# KiCad board uart-breakout.kicad_pcb (continued)
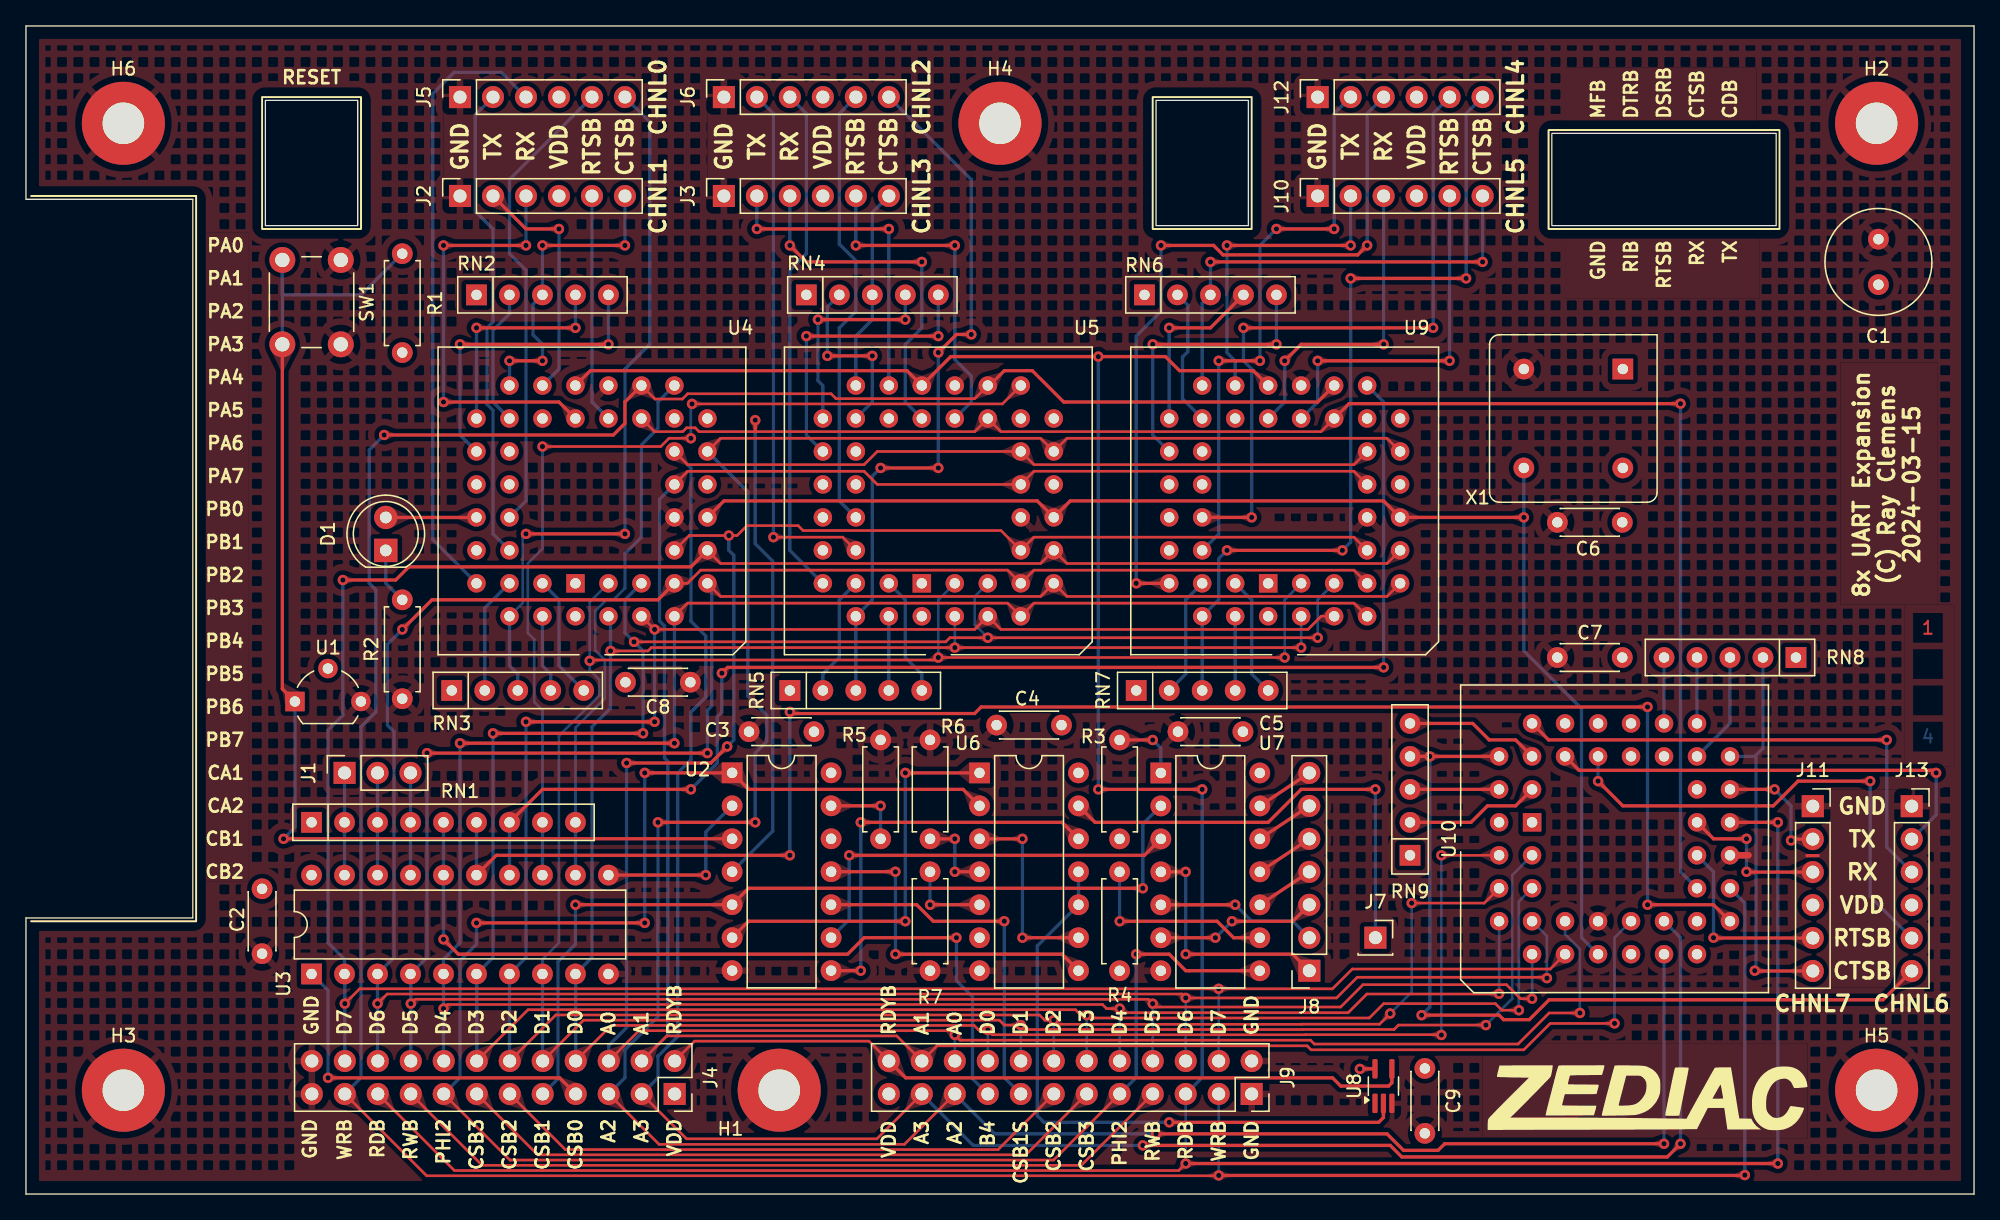
[diagram p0: board, top side]
## Nets (continued)

Pads without a net: U2 12; U4 1 13 17 32 34; U5 1 13 17 32 34; U6 6; U8 1; U9 1 13 17 32 34; U10 1 13 17 32 34; X1 1

## Via types
v1: diameter 0.8, hole 0.4, Top to Bottom, 178 vias

## Routing (per net, layer and track width the routed paths; a pad name or vN(x,y) marks a point on that pad's centre or on a via; arc(x,y) is an arc through that point)
GND: length 3.1
  Top w0.254: 137.18,26.07 137.15,26.07 137.99,26.07
  Top w0.508: U10.22 132.63,26.1
  Bottom w0.254: 137.15,26.07 137.99,26.07
VDD: length 1.2
  Top w0.254: v1(102.71,9.64) 102.72,9.65 U8.5
//RDY: length 58.5
  Top w0.203: J4.2 51.48,11.78 64.91,11.78 J9.24
  Top w0.254: J9.24 67.74,8.95 100.6,8.95 101.24,8.32 104.92,8.32 105.18,8.57 U8.4
/A0: length 190.9
  Top w0.203: U9.10 102.26,50.61 77.61,50.61 U5.10 75.07,51.12 59.83,51.12 59.45,51.5 55.52,51.5 54.76,50.74 51.07,50.74 U4.10 ; v1(119.65,13.95) 117.28,13.95 114.89,11.56 99.21,11.56 98.91,11.85 71.92,11.85 v1(71.52,12.26) 71.19,12.59 47.21,12.59 J4.6
  Top w0.254: v1(53.99,34.48) 53.99,34.47 52.74,33.21 v1(46.25,33.21)
  Bottom w0.203: v1(119.65,13.95) 119.65,13.95 119.65,18.87 118.51,20.01 U10.10 ; v1(71.52,12.26) J9.20
  Bottom w0.254: J4.6 44.87,11.45 46.25,12.83 v1(46.25,33.21) ; v1(53.99,34.48) 54.5,34.99 54.5,49.21 54.12,49.59 v1(54.12,50.74)
/A1: length 187.4
  Top w0.203: J4.4 49.34,12.18 67.05,12.18 J9.22 70.15,11.42 98.65,11.42 98.95,11.11 115.34,11.11 117.37,13.15 v1(122.32,13.15) ; U9.14 102.25,55.69 77.62,55.69 U5.14 65.55,54.67 64.54,55.69 50.94,55.69 U4.14
  Bottom w0.203: U10.14 122.32,19.75 v1(122.32,13.15)
  Bottom w0.254: U4.14 48.79,53.53 48.79,44.15 49.17,43.77 49.17,33.59 49.42,33.34 49.42,12.26 J4.4
/A2: length 216.9
  Top w0.203: U4.15 53.49,58.23 78.12,58.23 U5.15 80.16,58.23 104.79,58.23 U9.15 ; J9.19 67.64,3.83 48.75,3.83 J4.5
  Top w0.254: v1(87.01,4.64) 104.8,4.64 106.07,3.37 108.73,3.37 109.24,3.88 v1(126.13,3.88) ; v1(48.66,28.64) v1(56.15,28.64)
  Bottom w0.254: U4.15 55.59,54.1 55.59,38.35 57.04,36.89 57.04,34.86 56.15,33.97 v1(56.15,28.64) ; U10.15 v1(126.13,3.88) ; v1(87.01,4.64) 74.59,4.64 J9.19 ; v1(48.66,28.64) 48.66,13.65 46.12,11.11 46.12,8.96 J4.5
/A3: length 210.5
  Top w0.203: J9.21 65.53,4.26 50.86,4.26 J4.3 ; U4.16 50.95,56.2 64.53,56.2 65.55,57.22 U5.16 77.62,56.2 102.25,56.2 U9.16
  Top w0.254: v1(127.4,3.88) 126.38,2.86 105.94,2.86 105.05,3.75 v1(86,3.75)
  Bottom w0.254: J9.21 72.94,3.75 v1(86,3.75) ; J4.3 48.66,8.96 48.66,10.62 50.18,12.15 50.18,32.45 51.2,33.47 51.2,37.13 52.34,38.28 52.34,42.99 51.2,44.13 51.2,55.95 U4.16 ; v1(127.4,3.88) 127.4,19.75 U10.16
/AUXCSB0: length 28.1
  Top w0.254: J4.7 41.08,8.95 v1(23.26,8.95)
  Bottom w0.254: v1(23.26,8.95) 23.26,15.69 U3.1
/AUXCSB1: length 66.8
  Top w0.254: v1(86,23.56) 55.64,23.56 U2.5 42.31,22.3 v1(42.31,22.29)
  Bottom w0.254: v1(42.31,22.29) 42.31,19.24 40.97,17.9 40.97,8.89 J4.9 ; U7.2 86,28.52 v1(86,23.56)
/AUXCSB2: length 45.4
  Top w0.203: J9.13 74.85,3.42 41.54,3.42 J4.11
/AUXCSB3: length 50.9
  Top w0.203: J9.11 76.99,3.02 39.4,3.02 J4.13
/B4: length 62.6
  Top w0.254: v1(71.65,19.75) 64.53,19.75 63.27,18.48 33.29,18.48 v1(32.15,19.62)
  Bottom w0.254: RN1.5 U3.16 v1(32.15,19.62) ; v1(71.65,19.75) 71.65,16.45 72.88,15.21 72.88,8.89 J9.17
/B5: length 7.9
  Bottom w0.254: U3.17 RN1.4 J1.3
/B6: length 7.9
  Bottom w0.254: J1.2 RN1.3 U3.18
/B7: length 7.9
  Bottom w0.254: U3.19 RN1.2 J1.1
/CSB_CLOCKED: length 15.2
  Top w0.254: U6.3 v1(76.73,27.37) ; v1(76.73,19.75) U6.9
  Bottom w0.254: v1(76.73,19.75) v1(76.73,27.37)
/CSB_SLOW: length 27.7
  Top w0.254: v1(75.33,21.02) 69.86,21.02 68.58,22.3 U2.10
  Bottom w0.254: v1(75.33,21.02) 75.33,8.98 J9.15
/D0: length 182.1
  Top w0.203: J4.8 45.07,12.99 73.01,12.99 73.36,12.64 v1(74.06,12.64) 74.42,12.27 98.52,12.27 98.53,12.28 108.96,12.28 v1(108.99,12.26) ; v1(98.19,42.1) v1(71.52,42.1) 48.15,42.1 47.89,41.84 45.01,41.84 v1(45.01,41.85) ; v1(108.99,26.1) U10.2
  Bottom w0.203: J9.18 v1(74.06,12.64) ; U9.2 v1(98.19,42.1) ; v1(108.99,12.26) v1(108.99,26.1) ; v1(71.52,42.1) U5.2
  Bottom w0.254: 45.01,44.36 v1(45.01,41.85) 45.01,37.43 43.58,36 43.58,18.23 U3.9 ; J4.8 42.33,16.94
/D1: length 197.3
  Top w0.203: v1(112.41,13.02) 105.68,13.02 105.35,12.68 98.36,12.68 98.36,12.68 76.94,12.68 v1(76.6,13.02) 75.33,13.02 74.96,13.39 42.93,13.39 J4.10 ; v1(96.92,41.34) v1(70.25,41.34) 70.06,41.15 43.47,41.15 v1(43.41,41.09)
  Bottom w0.203: v1(70.25,41.34) 70.25,45.78 U5.3 ; U9.3 96.92,45.78 v1(96.92,41.34) ; U3.8 39.77,18.09 41.04,19.36 41.04,35.3 44.14,38.4 44.14,39.64 43.41,40.37 v1(43.41,41.09) 43.41,45.61 U4.3 ; J9.16 v1(76.6,13.02) ; U10.3 114.44,24.57 114.44,15.05 v1(112.41,13.02)
  Bottom w0.254: U3.8 39.77,10.27
/D2: length 188.1
  Top w0.203: v1(105.05,13.91) 104.23,13.09 98.2,13.09 98.19,13.08 79.46,13.08 v1(79.14,13.4) 78.44,13.4 78.04,13.8 40.8,13.8 J4.12 ; v1(106.7,22.42) 112.29,22.42 U10.4 ; U4.4 v1(48.4,43.5) 73.05,43.5 U5.4 75.07,43.5 98.71,43.5 99.72,44.52 U9.4
  Top w0.254: v1(38.5,36.39) v1(48.41,36.39)
  Bottom w0.203: v1(105.05,13.91) 106.7,15.56 v1(106.7,22.42) ; J9.14 v1(79.14,13.4)
  Bottom w0.254: v1(38.5,36.39) 38.5,18.23 U3.7 37.23,10.27 ; v1(48.41,36.39) 48.41,43.5 v1(48.4,43.5)
/D3: length 208.7
  Top w0.203: v1(114.96,14.16) 113.66,14.16 113.15,14.67 104.54,14.67 103.44,13.57 81.9,13.57 v1(81.68,13.78) 81.23,13.78 80.82,14.2 38.66,14.2 J4.14 ; v1(99.46,42.86) v1(74.06,42.86) 71.14,42.86 70.82,42.55 v1(46.82,42.55)
  Top w0.254: v1(47.52,35.5) v1(35.96,35.5)
  Bottom w0.203: U5.5 73.05,46.04 73.05,43.88 v1(74.06,42.86) ; J9.12 v1(81.68,13.78) ; v1(114.96,14.16) 114.96,22.55 U10.5 ; v1(99.46,42.86) 99.46,45.78 U9.5
  Bottom w0.254: v1(47.52,35.5) 47.52,41.85 v1(46.82,42.55) 46.12,43.25 46.12,45.78 U4.5 ; U3.6 35.96,18.23 v1(35.96,35.5) ; J4.14 34.71,16.94
/D4: length 198.2
  Top w0.203: U4.6 50.94,45.53 75.59,45.53 U5.6 77.61,45.53 102.26,45.53 U9.6 ; v1(113.43,15.43) 113.41,15.41 103.25,15.41 101.81,13.97 84.54,13.97 v1(84.22,14.29) 83.2,14.29 82.89,14.6 32.46,14.6 v1(32.15,14.29)
  Top w0.254: v1(33.42,34.74) v1(49.93,34.74)
  Bottom w0.203: v1(113.43,15.43) U10.6 ; J9.10 v1(84.22,14.29)
  Bottom w0.254: v1(49.93,34.74) U4.6 ; v1(33.42,34.74) 33.42,19.36 32.15,18.09 U3.5 v1(32.15,14.29) 32.15,10.27
/D5: length 209.7
  Top w0.203: v1(29.63,14.67) 29.97,15.01 86.42,15.01 v1(86.76,14.67) 87.02,14.41 101.23,14.41 102.96,16.13 114,16.13 115.08,15.05 v1(115.97,15.05) ; U4.7 53.48,46.04 78.13,46.04 U5.7 80.15,46.04 104.8,46.04 U9.7
  Top w0.254: v1(30.88,33.97) v1(52.47,33.97)
  Bottom w0.203: J9.8 v1(86.76,14.67) ; v1(115.97,15.05) U10.7 ; 29.63,14.54 v1(29.63,14.67)
  Bottom w0.254: v1(30.88,33.97) 30.88,18.23 U3.4 ; 29.63,14.54 29.63,16.94 ; v1(52.47,33.97) 52.47,37.28 52.8,37.6 52.8,46.73 ; J4.18 v1(29.63,14.67)
/D6: length 212.8
  Top w0.203: v1(117.11,16.64) 117.05,16.7 102.51,16.7 100.92,15.11 v1(89.3,15.11) 89,15.41 27.81,15.41 v1(27.07,14.67) ; U4.8 50.94,47.06 51.95,48.07 75.58,48.07 U5.8 77.61,48.07 102.26,48.07 U9.8
  Top w0.254: v1(28.98,43.5) 31.26,45.78 48.66,45.78 U4.8
  Bottom w0.203: U10.8 117.11,19.88 v1(117.11,16.64) ; J9.6 v1(89.3,15.11)
  Bottom w0.254: v1(28.98,43.5) 27.83,42.36 27.83,36.13 28.34,35.62 28.34,18.23 U3.3 27.07,10.27
/D7: length 223.2
  Top w0.203: v1(24.55,14.67) 25.69,15.81 v1(91.84,15.81) 100.6,15.81 102.13,17.34 117.37,17.34 U10.9 ; U4.9 53.48,48.58 78.13,48.58 U5.9 80.15,48.58 104.8,48.58 U9.9
  Top w0.254: U4.9 51.2,48.33 29.48,48.33 28.47,47.31 v1(24.4,47.31)
  Bottom w0.203: v1(91.84,15.81) J9.4
  Bottom w0.254: v1(24.4,47.31) 24.4,36.89 23.26,35.75 23.26,19.36 24.53,18.09 U3.2 ; J4.22 24.55,16.94
/PHI1: length 13.7
  Top w0.254: U3.11 v1(52.34,24.58)
  Bottom w0.254: v1(52.34,24.58) 52.34,27.88 54.38,29.92
/PHI2: length 143.2
  Top w0.203: J4.15 37.26,2.62 79.13,2.62 J9.9
  Top w0.254: v1(47.64,32.45) 48.28,32.45 48.28,32.45 U2.1 55.65,31.18 72.16,31.18 U6.2 ; v1(34.69,20.89) v1(47.64,20.89) ; v1(85.49,18.48) 88.03,18.48 89.3,17.21 89.55,17.21 89.56,17.2 95,17.2
  Bottom w0.254: v1(85.49,18.48) 85.49,8.98 J9.9 ; J4.15 33.42,8.96 33.42,17.97 34.69,19.24 v1(34.69,20.89) ; v1(47.64,20.89) v1(47.64,32.45)
/RDB: length 267.3
  Top w0.203: J4.19 32.99,1.81 88.76,1.81 v1(89.3,2.35)
  Top w0.25: v1(90.57,31.18) v1(82.57,31.18)
  Top w0.254: v1(134.89,28.64) U10.24 ; U9.24 94.5,63.44 88.82,63.44 87.74,64.52 71.21,64.52 U5.24 67.84,63.44 43.45,63.44 U4.24 ; v1(89.3,2.35) v1(134.89,2.35)
  Bottom w0.203: J9.5 v1(89.3,2.35) ; v1(90.57,31.18) 90.56,31.18 90.5,31.12
  Bottom w0.25: v1(82.57,31.18) v1(82.57,64.52) ; J9.5 90.57,8.98 90.57,31.05 90.5,31.12
  Bottom w0.254: v1(134.89,2.35) v1(134.89,28.64)
/RES: length 157.8
  Top w0.203: U9.21 99.72,58.74 75.07,58.74 U5.21 73.05,58.74 51.83,58.74 51.53,59.04 50.87,59.04 50.57,58.74 48.4,58.74 U4.21
  Top w0.254: U9.21 101.87,60.9 v1(127.4,60.9) ; v1(56.15,59.63) 56.15,58.74
  Bottom w0.254: U10.21 127.4,24.83 v1(127.4,60.9) ; U2.4 57.5,27.96 57.5,48.76 56.15,50.1 v1(56.15,59.63)
/RWB: length 61.7
  Top w0.203: J4.17 35.13,2.21 81.26,2.21 J9.7
/RX0B: length 47.8
  Bottom w0.254: J5.3 36.59,86.42 32.97,86.42 31.32,84.77 31.32,50.43 U4.39
/RX1B: length 32.9
  Top w0.254: v1(32.15,73.09) v1(38.5,73.09) ; U4.25 41.04,61.02 v1(32.15,61.02)
  Bottom w0.254: v1(38.5,73.09) J2.3 ; v1(32.15,61.02) v1(32.15,73.09)
/RX2B: length 39.6
  Bottom w0.254: U5.39 58.82,49.59 58.82,71.19 60.09,72.45 60.09,83.25 J6.3
/RX3B: length 27.6
  Top w0.254: v1(58.82,73.09) 60.09,71.82 v1(68.98,71.82)
  Bottom w0.25: 68.15,60.58 67.71,61.02 67.71,63.69
  Bottom w0.254: v1(58.82,73.09) J3.3 ; U5.25 68.15,60.58 ; 67.71,63.69 67.71,65.47 68.98,66.74 v1(68.98,71.82)
/RX4B: length 57.8
  Top w0.254: v1(85.49,47.06) U9.39 ; v1(87.39,73.09) 91.45,73.09 92.17,72.36 102.54,72.36 v1(103.27,73.09)
  Bottom w0.254: J12.3 103.27,83.25 v1(103.27,73.09) ; v1(85.49,47.06) 85.49,66.1 87.39,68.01 v1(87.39,73.09)
/RX5B: length 24.5
  Top w0.254: v1(104.54,65.47) 98.19,65.47 v1(96.92,64.2)
  Bottom w0.254: U9.25 96.92,61.02 v1(96.92,64.2) ; v1(104.54,65.47) J10.3
/RX6B: length 38.8
  Top w0.254: v1(143.28,34.99) 117.24,34.99 U10.39
  Bottom w0.254: J13.3 143.28,26.73 v1(143.28,34.99)
/RX7B: length 12
  Top w0.254: U10.25 129.94,27.37 v1(132.48,27.37) ; J11.3 132.5,24.81
  Bottom w0.254: v1(132.48,24.83) v1(132.48,27.37)
/TX0B: length 37
  Bottom w0.254: J5.2 34.6,83.16 34.6,75.72 35.96,74.36 35.96,67.19 35.51,66.74 35.51,60.84 35.96,60.38 35.96,50.86 U4.38
/TX1B: length 18.7
  Top w0.254: v1(41.04,74.36) 38.5,74.36 J2.2
  Bottom w0.254: v1(41.04,74.36) 41.04,63.57 40.59,63.12 40.59,63.11 U4.26
/TX2B: length 41.2
  Top w0.203: U5.38 62.88,50.61 v1(57.55,50.61)
  Bottom w0.254: v1(57.55,50.61) 57.55,83.25 J6.2
/TX3B: length 24.8
  Top w0.254: v1(66.44,74.36) v1(56.28,74.36)
  Bottom w0.254: v1(56.28,74.36) J3.2 ; U5.26 v1(66.44,74.36)
/TX4B: length 44.1
  Top w0.254: v1(91.84,64.2) v1(95.02,64.2) ; v1(100.73,74.36) v1(96.28,74.36)
  Bottom w0.254: v1(96.28,74.36) 95.02,73.09 v1(95.02,64.2) ; U9.38 91.84,50.86 v1(91.84,64.2) ; J12.2 100.73,83.25 v1(100.73,74.36)
/TX5B: length 24.4
  Top w0.254: v1(92.47,73.09) v1(102,73.09)
  Bottom w0.254: U9.26 93.11,64.2 92.47,64.84 v1(92.47,73.09) ; v1(102,73.09) J10.2
/TX6B: length 35
  Top w0.254: v1(147.09,32.45) 146.89,32.65 119.58,32.65 U10.38
  Bottom w0.254: v1(147.09,32.45) 147.09,29.22 J13.2
/TX7B: length 9.6
  Top w0.254: J11.2 136.01,27.34 v1(135.91,27.24) ; v1(134.64,31.18) U10.26
  Bottom w0.254: v1(134.64,31.18) 135.91,29.91 v1(135.91,27.24)
/WRB: length 270.5
  Top w0.203: v1(91.84,1.43) 91.81,1.41 30.85,1.41 J4.21 ; U4.20 48.43,61.26 50.55,61.26 50.95,61.66 62,61.66 62.37,61.28 73.05,61.28 U5.20
  Top w0.25: 80.16,61.02 79.9,61.02 77.49,63.44 75.33,63.44 74.19,62.3
  Top w0.254: U9.20 99.46,61.02 80.16,61.02 ; v1(91.84,1.43) 132.32,1.43 v1(132.35,1.46) ; U4.20 46.12,61.02 46.12,59.37 45.23,58.48 v1(27.58,58.48)
  Bottom w0.203: J9.3 v1(91.84,1.43)
  Bottom w0.254: v1(27.58,58.48) 26.44,57.34 26.44,47.06 26.94,46.55 26.94,37.15 25.8,36.01 25.8,8.96 J4.21 ; v1(132.35,1.46) 132.35,22.42 U10.20
/~{CD0B}: length 6
  Bottom w0.254: RN3.4 40.41,40.07 39.77,40.7 U4.42
/~{CD1B}: length 10.6
  Bottom w0.254: RN2.2 37.23,67.82 35.96,66.55 35.96,61.02 U4.30
/~{CD2B}: length 5.7
  Bottom w0.254: U5.42 RN5.4
/~{CD3B}: length 13.9
  Top w0.254: v1(65.17,64.58) v1(61.71,64.58)
  Bottom w0.254: v1(65.17,64.58) 65.17,61.02 U5.30 ; v1(61.71,64.58) 61.71,68.36 RN4.2
/~{CD4B}: length 5.7
  Bottom w0.254: RN7.4 U9.42
/~{CD5B}: length 10.7
  Bottom w0.254: U9.30 89.05,61.28 89.05,64.49 89.46,64.91 89.46,68.48 RN6.2
/~{CD6B}: length 6.9
  Top w0.254: U10.42 RN9.3
/~{CD7B}: length 8.7
  Bottom w0.254: RN8.3 131.21,36.26 U10.30
/~{CS0}: length 41.8
  Bottom w0.203: RN1.9 42.31,35.93 44.58,38.2 44.58,41.14 43.83,41.88 43.83,44.93 44.69,45.78 45.23,45.78 46.12,46.67
  Bottom w0.25: 46.12,46.67 46.12,49.34 47.39,50.61 47.39,57.72 48.66,58.99 48.66,61.02 U4.18
  Bottom w0.254: RN1.9 U3.12
/~{CS1}: length 74.4
  Top w0.203: v1(51.2,58.23) 49.51,58.23 48.88,57.6 v1(39.77,57.6) ; U5.18 75.18,60.88 v1(51.28,60.88)
  Bottom w0.203: v1(39.77,57.6) 39.77,49.72 38.65,48.6 38.65,43.23 39.14,42.74 39.14,37.91 39.77,37.28 RN1.8 ; 51.33,60.77 51.33,60.84 v1(51.28,60.88) 51.2,60.8 v1(51.2,58.23)
  Bottom w0.254: U3.13 RN1.8
/~{CS2}: length 102.4
  Top w0.254: v1(53.58,40.13) 54.03,40.58 v1(104.54,40.58) ; RN1.7 39.77,31.18 v1(51.2,31.18)
  Bottom w0.254: v1(51.2,31.18) 53.23,33.21 53.23,36.77 53.58,37.12 v1(53.58,40.13) ; U9.18 104.54,61.02 v1(104.54,40.58) ; RN1.7 U3.14
/~{CS3}: length 128.3
  Top w0.203: v1(58.82,37.15) 58.95,37.02
  Top w0.25: U3.15 36.21,26.1 v1(58.82,26.1) ; v1(124.86,22.29) 129.94,22.29 U10.18 ; 58.95,37.02 73.04,37.02 73.55,37.53 v1(124.86,37.53)
  Bottom w0.25: v1(124.86,37.53) v1(124.86,22.29) ; v1(58.82,26.1) v1(58.82,37.15)
  Bottom w0.254: RN1.6 U3.15
/~{CTS0B}: length 55.7
  Top w0.254: v1(46.12,50.86) v1(38.5,50.86)
  Bottom w0.203: U4.40 38.24,45.53 38.24,50.61 v1(38.5,50.86)
  Bottom w0.254: RN3.3 37.87,40.07 37.23,40.7 U4.40 ; J5.6 48.03,82.62 48.03,65.47 46.12,63.56 v1(46.12,50.86)
/~{CTS1B}: length 24.1
  Top w0.254: v1(37.23,64.2) v1(39.77,64.2) ; v1(46.12,73.09) v1(39.77,73.09)
  Bottom w0.254: U4.28 v1(37.23,64.2) ; v1(46.12,73.09) J2.6 ; v1(39.77,64.2) 39.77,65.47 39.04,66.2 39.04,68.55 RN2.3 v1(39.77,73.09)
/~{CTS2B}: length 55.3
  Top w0.254: v1(70.25,64.84) 71.65,66.23 v1(72.79,66.23) ; v1(70.25,55.95) v1(65.81,55.95)
  Bottom w0.254: v1(72.79,66.23) 72.79,78.17 J6.6 ; v1(70.25,64.84) v1(70.25,55.95) ; RN5.3 U5.40 65.17,45.78 65.17,55.31 v1(65.81,55.95)
/~{CTS3B}: length 15.7
  Bottom w0.254: J3.6 65.17,75.63 RN4.3 65.17,67.37 63.9,66.1 U5.28
/~{CTS4B}: length 65.1
  Top w0.254: v1(92.47,49.59) v1(101.36,49.59) ; v1(102,70.55) v1(110.89,70.55)
  Bottom w0.254: RN7.3 U9.40 91.84,45.78 91.84,48.96 v1(92.47,49.59) ; v1(101.36,49.59) 102,50.23 v1(102,70.55) ; J12.6 110.89,83.25 v1(110.89,70.55)
/~{CTS5B}: length 35.8
  Top w0.254: v1(91.2,71.82) v1(112.16,71.82)
  Bottom w0.254: v1(91.2,71.82) RN6.3 90.57,68.65 U9.28 ; v1(112.16,71.82) J10.6
/~{CTS6B}: length 66.5
  Top w0.254: RN9.4 U10.40 ; v1(107.46,13.78) 113.43,13.78 113.78,13.44 115.75,13.44 117.28,14.97 142.99,14.97 J13.6
  Bottom w0.254: v1(108.1,33.72) 108.1,14.42 v1(107.46,13.78)
/~{CTS7B}: length 30.7
  Top w0.254: J11.6 133.14,17.19
  Bottom w0.254: 133.12,33.72 133.75,34.36 RN8.2 ; 133.12,33.72 133.21,33.63 133.21,17.3 ; 133.12,33.72 U10.28
  vias: v1(133.12,17.21)
/~{DSR0B}: length 9
  Bottom w0.254: U4.41 35.33,45.15 RN3.2
/~{DSR1B}: length 17.1
  Top w0.254: v1(34.69,66.74) v1(42.31,66.74)
  Bottom w0.254: v1(42.31,66.74) RN2.4 ; U4.29 v1(34.69,66.74)
/~{DSR2B}: length 9.3
  Bottom w0.254: RN5.2 61.36,40.07 62.63,41.34 62.63,45.78 U5.41
/~{DSR3B}: length 16.4
  Top w0.254: v1(60.98,67.38) v1(67.71,67.38)
  Bottom w0.254: v1(67.71,67.38) RN4.4 ; v1(60.98,67.38) 60.98,62.68 61.36,62.3 U5.29
/~{DSR4B}: length 9.3
  Bottom w0.254: U9.41 89.3,45.78 89.3,40.07 RN7.2
/~{DSR5B}: length 13.8
  Top w0.254: RN6.4 91.2,66.74 v1(88.03,66.74)
  Bottom w0.254: U9.29 v1(88.03,66.74)
/~{DSR6B}: length 10.5
  Top w0.254: RN9.5 111.4,36.26 112.67,34.99 114.7,34.99 U10.41
/~{DSR7B}: length 5.1
  Bottom w0.254: RN8.4 U10.29
/~{MF0B}: length 7
  Top w0.254: D1.2 34.69,52.13
/~{RI0B}: length 9.6
  Bottom w0.254: RN3.5 41.04,40.7 41.04,45.78 U4.43
/~{RI1B}: length 24
  Top w0.254: v1(33.42,65.47) v1(44.85,65.47)
  Bottom w0.254: v1(44.85,65.47) RN2.5 ; U4.31 33.42,58.48 v1(33.42,65.47)
/~{RI2B}: length 9.3
  Bottom w0.254: U5.43 67.71,45.78 67.71,41.34 68.98,40.07 RN5.5
/~{RI3B}: length 22.8
  Top w0.254: v1(60.09,66.1) v1(70.25,66.1)
  Bottom w0.254: U5.31 60.09,58.48 v1(60.09,66.1) ; v1(70.25,66.1) RN4.5
/~{RI4B}: length 9.3
  Bottom w0.254: RN7.5 94.38,40.07 94.38,45.78 U9.43
/~{RI5B}: length 22.1
  Top w0.254: v1(86.76,65.47) v1(96.28,65.47)
  Bottom w0.254: U9.31 86.76,58.48 v1(86.76,65.47) ; v1(96.28,65.47) RN6.5
/~{RI6B}: length 10.5
  Top w0.254: RN9.2 111.27,28.64 112.54,29.91 114.7,29.91 U10.43
/~{RI7B}: length 5.1
  Bottom w0.254: U10.31 RN8.5
/~{RTS0B}: length 36.1
  Bottom w0.254: J5.5 37.23,78.17 37.23,72.45 38.5,71.19 38.5,53.41 U4.36
/~{RTS1B}: length 17.7
  Bottom w0.254: J2.5 43.58,61.02 U4.23
/~{RTS2B}: length 34.5
  Bottom w0.254: U5.36 62.63,53.41 62.63,66.74 63.9,68.01 63.9,71.91 62.63,73.18 62.63,83.25 J6.5
/~{RTS3B}: length 25.8
  Top w0.254: v1(63.9,73.09) v1(71.52,73.09)
  Bottom w0.254: U5.23 72.79,61.02 72.79,63.03 71.52,64.3 v1(71.52,73.09) ; J3.5 v1(63.9,73.09)
/~{RTS4B}: length 51.6
  Top w0.254: v1(93.75,66.74) v1(108.35,66.74) ; U9.36 v1(94.38,52.13)
  Bottom w0.254: v1(108.35,66.74) 108.35,83.25 J12.5 ; v1(94.38,52.13) 94.38,63.56 93.75,64.2 v1(93.75,66.74)
/~{RTS5B}: length 27.8
  Top w0.254: v1(99.46,64.2) v1(109.62,64.2)
  Bottom w0.254: U9.23 99.46,61.02 v1(99.46,64.2) ; J10.5 v1(109.62,64.2)
/~{RTS6B}: length 37.9
  Top w0.254: v1(142,31.81) 136.45,31.81 134.55,29.91 122.96,29.91 v1(121.05,31.81)
  Bottom w0.254: 145.21,19.72 142,22.92 v1(142,31.81) ; U10.36 v1(121.05,31.81)
/~{RTS7B}: length 14.5
  Top w0.254: 137.59,19.72 129.97,19.72
  Bottom w0.254: U10.23 129.94,24.83 v1(129.94,19.75)
Net-(D1-K): length 4.3
  Bottom w0.254: 28.98,45.78 27.7,47.06 D1.1
Net-(J7-Pin_1): length 35.9
  Top w0.254: U6.13 82.31,28.64 95.65,28.64 98.19,31.18 v1(103.91,31.18)
  Bottom w0.254: v1(103.91,31.18) J7.1
Net-(J8-Pin_1): length 18.3
  Top w0.254: v1(89.3,18.48) 97.54,18.48 J8.1 ; U7.4 v1(89.3,24.83)
  Bottom w0.254: v1(89.3,18.48) 89.3,18.48 v1(89.3,24.83)
Net-(J8-Pin_2): length 12.5
  Top w0.254: v1(93.11,22.29) 93.11,22.28 U7.5
  Bottom w0.254: v1(93.11,22.29) 94.38,21.02 97.54,21.02 J8.2
Net-(J8-Pin_3): length 12.5
  Top w0.254: v1(92.86,21.02) 97.55,21.02 J8.3 ; U7.6 91.58,19.75 v1(91.59,19.75)
  Bottom w0.254: v1(91.59,19.75) v1(92.86,21.02)
Net-(J8-Pin_4): length 4.6
  Top w0.254: 95,22.28 J8.4
Net-(J8-Pin_5): length 4.6
  Top w0.254: 95,24.83 J8.5
Net-(J8-Pin_6): length 4.6
  Top w0.254: 95,27.36 J8.6
Net-(J8-Pin_7): length 4.6
  Top w0.254: 95,29.91 J8.7
Net-(R5-Pad1): length 6.4
  Top w0.254: 62,29.92 65.8,29.92 v1(65.81,29.91)
  Bottom w0.254: v1(65.81,29.91) R5.1
Net-(R6-Pad1): length 6.4
  Top w0.254: v1(71.52,24.83) U6.4 ; R6.1 v1(71.52,27.37)
  Bottom w0.254: v1(71.52,27.37) v1(71.52,24.83)
Net-(R7-Pad1): length 6.3
  Top w0.254: v1(69.61,22.29) U6.5
  Bottom w0.254: R7.1 v1(69.61,22.29)
Net-(U1-RST): length 93.2
  Top w0.254: v1(19.83,27.37) 19.84,27.38 U2.3 ; SW1.2 19.74,38.92 U1.1
  Bottom w0.254: SW1.2 SW1.2 19.74,69.28 25.8,69.28 R1.2 ; v1(19.83,27.37) 20.71,28.25 U1.1
Net-(U2-Pad6): length 31
  Top w0.254: U2.6 55.64,21.02 v1(67.71,21.02) ; v1(67.71,32.45) U6.1
  Bottom w0.254: v1(67.71,21.02) v1(67.71,32.45)
Net-(U2-Pad8): length 31
  Top w0.254: v1(64.28,28.64) 79.78,28.64 U6.12 ; U2.8 64.28,17.22 v1(64.28,17.21)
  Bottom w0.254: v1(64.28,17.21) v1(64.28,28.64)
Net-(U2-Pad11): length 25.9
  Top w0.254: v1(66.95,24.83) 66.94,24.83 U2.11 ; U6.8 79.78,18.48 v1(66.95,18.48)
  Bottom w0.254: v1(66.95,24.83) v1(66.95,18.48)
Net-(U6-Pad10): length 48.2
  Top w0.254: v1(88.03,5.53) 104.16,5.53 104.53,5.89 U8.2
  Bottom w0.254: v1(88.03,5.53) 78.38,5.53 77.87,6.03 77.87,19.11 U6.10 U6.11
Net-(U7-DSA): length 5.3
  Top w0.254: v1(86.76,34.98) R3.2
  Bottom w0.254: v1(86.76,34.98) 87.39,34.36 U7.1
Net-(U7-Q0): length 31.4
  Top w0.254: U7.3 86.12,26.1 v1(63.39,26.1)
  Bottom w0.254: v1(63.39,26.1) 63.39,21.15 U2.9
Net-(U7-~{MR}): length 15.1
  Top w0.254: 95,19.75 92.99,19.75 91.71,21.02 v1(84.22,21.02)
  Bottom w0.254: R4.2 84.21,21.03 v1(84.22,21.02)
Net-(U10-XTAL1): length 104.8
  Top w0.254: v1(115.34,52.13) U9.11 104.54,53.41 80.41,53.41 U5.11 77.87,53.41 53.74,53.41 U4.11
  Bottom w0.254: U10.11 119.78,19.75 119.78,37.4 115.34,41.85 v1(115.34,52.13) X1.5

## Copper pours and planes (outline as drawn; the poured copper is in the pictures)
GND on Top: 145.21,31.16 145.21,15.92 137.59,15.92 137.59,31.16
GND on Top: 52.06,11.67 20.72,11.67 20.72,16.6 52.06,16.6
GND on Top: 118.51,74.11 133.5,74.11 133.5,69.03 118.51,69.03
GND on Top: 137.18,4.26 112.16,4.26 112.16,11.62 137.18,11.62
GND on Top: 24.78,85.43 19.7,85.43 19.7,86.81 24.78,86.81
GND on Top: 52.06,1.61 20.72,1.61 20.72,6.54 52.06,6.54
GND on Top: 144.67,45.4 148.48,45.4 148.48,32.96 144.67,32.96
GND on Top: 139.72,64.07 147.21,64.07 147.21,45.4 139.72,45.4
GND on Top: 13.35,74.11 17.16,74.11 17.16,24.07 13.35,24.07
GND on Top: 98.19,84.52 113.43,84.52 113.43,76.9 98.19,76.9
GND on Top: 118.51,86.81 133.24,86.81 133.24,81.98 118.51,81.98
GND on Top: 32.15,84.52 47.39,84.52 47.39,76.9 32.15,76.9
GND on Top: 52.47,84.52 67.71,84.52 67.71,76.9 52.47,76.9
GND on Top, Bottom: 149.98,0.11 -0.02,0.11 -0.02,90.02 149.98,90.02
GND on In2.Cu: 149.98,0.11 -0.02,0.11 -0.02,90.02 149.98,90.02
VDD on In1.Cu: 150,0.09 0,0.09 0,90 150,90

Small or netless copper shapes (teardrops, artwork), in the pictures only: 353 on Top, 409 on Bottom

## Text on the board
B.Silkscreen: ZEDIAC Expansion Card / HW Design REV: 1.0 / Layout REV: A / Order No.
F.Silkscreen: RESET | PA0 | PA1 | PA2 | PA3 | PA4 | PA5 | PA6 | PA7 | PB0 | PB1 | PB2 | PB3 | PB4 | PB5 | PB6 | PB7 | CA1 | CA2 | CB1 | CB2 | GND | D7 | D6 | D5 | D4 | D3 | D2 | D1 | D0 | A0 | A1 | RDYB | MFB | DTRB | DSRB | CTSB | CDB | WRB | RDB | RWB | PHI2 | CSB3 | CSB2 | CSB1 | CSB0 | A2 | A3 | VDD | B4 | CSB1S | RIB | RTSB | RX | TX | CHNL7 | CHNL6 | CHNL0 | CHNL1 | CHNL2 | CHNL3 | CHNL4 | CHNL5 | 8x UART Expansion / (C) Ray Clemens / 2024-03-15
In1.Cu: 2
In2.Cu: 3
